# Altium PCB PCB2.PcbDoc (part 2 of 3)
Units mm, origin at the board's own origin, x right, y up, seen from the top; angles counter-clockwise.
Board outline 119.14 x 92.59 mm, 4 copper layers (Top Layer, GND Layer, PWR Layer, Bottom Layer), stack 1.471 mm thick; 167 components, 167 nets, 891 pads, 337 vias.
Unrouted connection lines stored in the file: 145.
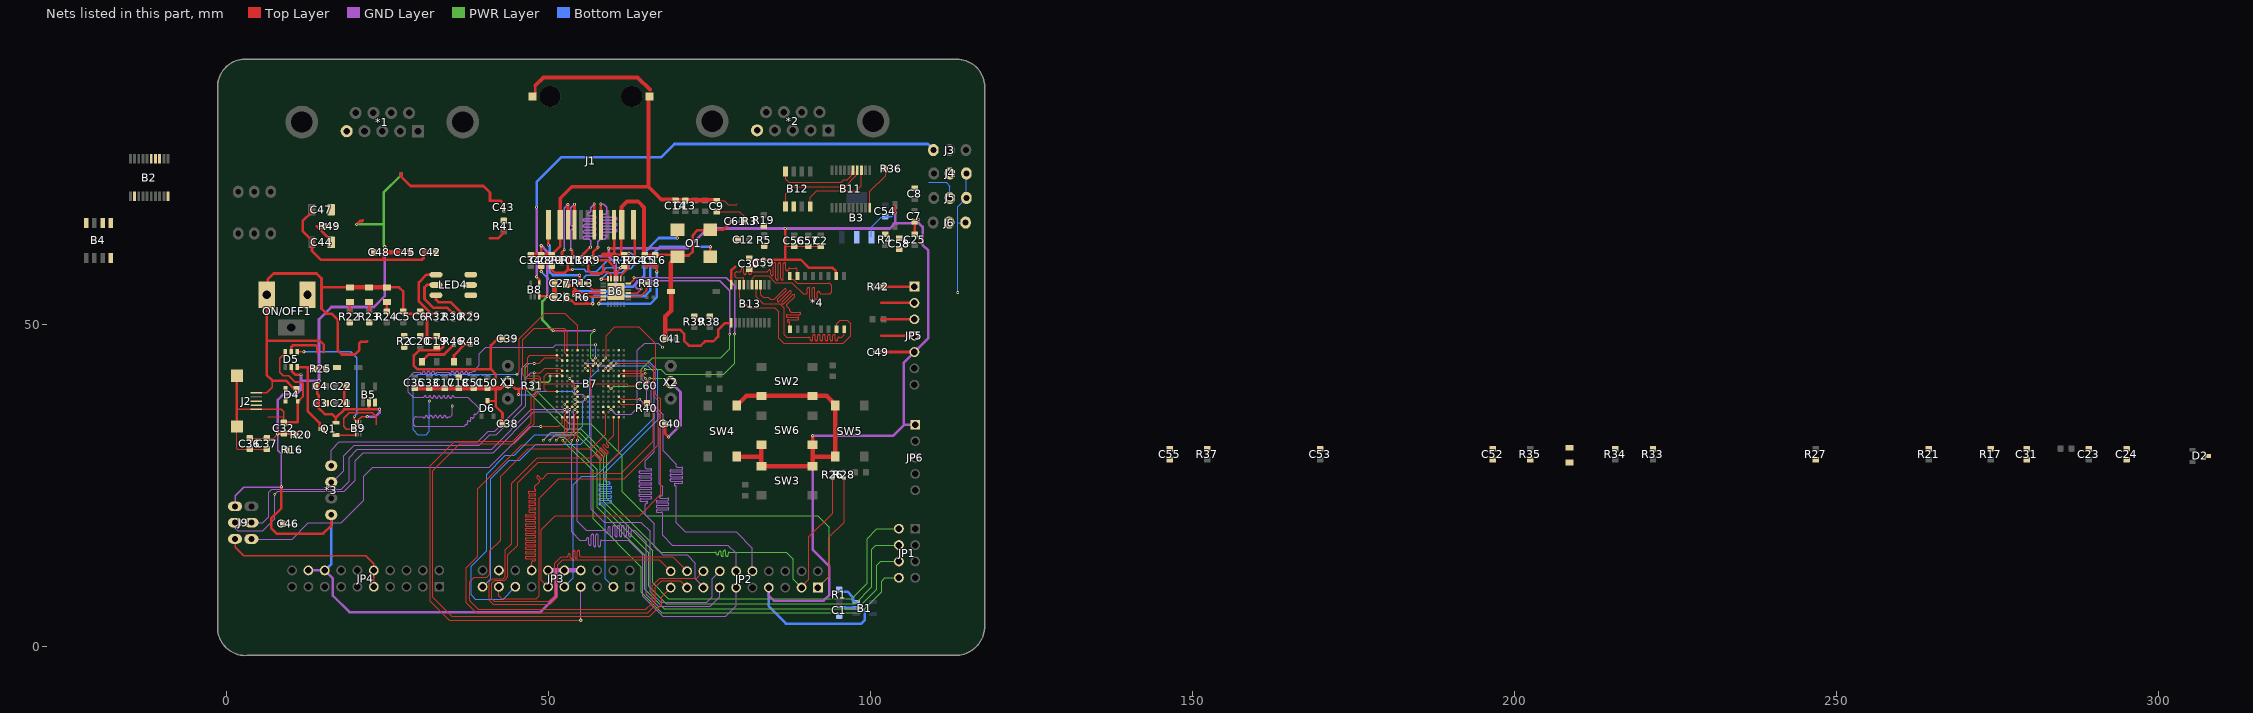
[diagram p4: the nets of this part, all layers, seen from the top]

## Via types
v1: diameter 0.42, hole 0.2, Top Layer to Bottom Layer, tented both sides, 238 vias
v2: diameter 0.5, hole 0.25, Top Layer to Bottom Layer, tented both sides, 62 vias
v3: diameter 1, hole 0.54, Top Layer to Bottom Layer, 32 vias
v4: diameter 6.3, hole 3.2, Top Layer to Bottom Layer, 4 vias
v5: diameter 0.42, hole 0.2, Top Layer to Bottom Layer, 1 vias

## Nets (pads, with @x,y where several pads share a name; then routed paths per layer and width w, separated by ;. In a path a pad name is that pad's centre, name@x,y a point inside that pad or via, vN(x,y) a via of type N, cw(c..) or ccw(c..) an arc to the next point about the centre after c; other vN are vias at no path point) (continued)
CLK: *4.16 B13.5 | length 30.5
  Top Layer w0.15: B13.5@81.712,56.258 81.712,57.201 82.124,57.613 84.283,57.613 85.299,56.597 87.839,56.597 89.617,54.819 89.998,54.819 90.073,54.819 ccw(c90.073,55.014) 90.268,55.014 90.268,55.624 cw(c90.463,55.624) 90.463,55.819 cw(c90.463,55.624) 90.658,55.624 90.658,54.014 ccw(c90.853,54.014) 90.853,53.819 ccw(c90.853,54.014) 91.048,54.014 91.048,55.624 cw(c91.243,55.624) 91.243,55.819 cw(c91.243,55.624) 91.438,55.624 91.438,54.18 ccw(c91.633,54.18) 91.633,53.985 ccw(c91.633,54.18) 91.828,54.18 91.828,55.014 cw(c92.023,55.014) 92.023,55.209 cw(c92.023,55.014) 92.218,55.014 ccw(c92.413,55.014) 92.413,54.819 92.814,54.819 93.554,54.819 ccw(c93.554,55.327) 94.062,55.327 94.062,55.962 ccw(c93.554,55.962) 93.554,56.47 88.728,56.47 88.11,57.088 87.759,57.088 87.534,57.313 *4.16@87.534,57.613
  Top Layer w0.4: B13.5@81.687,56.233 B13.5@81.712,56.258
CS: *4.7 B13.8 | length 30.4
  Top Layer w0.15: B13.8@79.737,56.233 79.737,54.158 81.235,52.66 85.172,52.66 85.807,52.025 85.807,47.961 86.569,47.199 95.84,47.199 96.983,48.342 96.983,50.192 96.42,50.755 95.376,50.755 94.851,50.23 *4.7@94.851,49.436
  Top Layer w0.4: *4.7@94.773,49.359 *4.7@94.851,49.436
E14-ENET_TXD1: B6.18 B7.E14 | length 47.9
  Top Layer w0.12: B7.E14@61.778,42.881 64.852,42.881 v1(65.106,43.135)
  Top Layer w0.22: B6.18@62.484,56.45 B6.18@62.759,56.45
  Top Layer w0.3: B6.18@62.759,56.45 63.305,56.996 63.305,57.336 v1(63.328,57.359)
  GND Layer w0.22: v1(63.328,57.359) 77.679,57.359 78.953,56.086 v1(78.953,48.585)
  PWR Layer w0.12: v1(65.106,43.135) 67.519,43.135 68.281,42.373 77.298,42.373 78.949,44.024 78.949,48.582 v1(78.953,48.585)
ETH_RX+: B6.23 C28.1 J1.7 R8.2 | length 34.9
  Top Layer w0.3: 58.587,58.228 59.284,58.228 59.784,57.728 B6.23@59.784,57.15
  Top Layer w0.4: v1(56.597,62.058) 56.47,62.058 55.466,61.054 55.466,60.611 R8.2@55.381,60.526 55.481,60.426 55.943,60.426 56.216,60.153 56.216,58.502 56.724,57.994 58.352,57.994 58.587,58.228 58.587,59.176 ; J1.7@57.169,65.545 57.17,65.546 v1(57.171,68.777) v1(57.171,68.777)
  GND Layer w0.22: v1(56.597,62.058) 56.597,62.974 56.597,63.084 ccw(c56.367,63.084) 56.367,63.314 55.718,63.314 cw(c55.718,63.544) 55.718,63.774 57.19,63.774 ccw(c57.19,64.004) 57.19,64.234 55.718,64.234 cw(c55.718,64.464) 55.718,64.694 57.19,64.694 ccw(c57.19,64.924) 57.19,65.154 55.718,65.154 cw(c55.718,65.384) 55.718,65.614 57.19,65.614 ccw(c57.19,65.844) 57.19,66.074 55.718,66.074 cw(c55.718,66.304) 55.718,66.534 57.185,66.534 ccw(c57.185,66.764) 57.185,66.994 56.367,66.994 cw(c56.367,67.224) 56.367,67.454 ccw(c56.367,67.684) 56.597,67.684 56.597,68.203 57.018,68.624 v1(57.171,68.777)
ETH_RX-: B6.22 C29.1 J1.8 R9.2 | length 34.9
  Top Layer w0.22: 60.145,59.176 60.284,59.037
  Top Layer w0.3: B6.22@60.284,57.15 60.284,59.037
  Top Layer w0.4: v1@57.74,62.063 v1(57.74,62.058) 56.99,61.308 R9.2@56.99,60.526 57.09,60.426 57.487,60.426 57.887,60.026 59.295,60.026 60.145,59.176 ; v1(58.179,68.779) 58.179,68.774 58.192,68.761 58.192,65.548 J1.8@58.189,65.545
  GND Layer w0.22: v1(57.74,62.058) 57.74,62.947 58.121,63.328 58.756,63.328 58.827,63.4 59.137,63.709 59.137,63.74 ccw(c58.907,63.74) 58.907,63.97 58.367,63.97 cw(c58.367,64.2) 58.367,64.43 60.464,64.43 ccw(c60.464,64.66) 60.464,64.89 58.367,64.89 cw(c58.367,65.12) 58.367,65.35 60.464,65.35 ccw(c60.464,65.58) 60.464,65.81 58.367,65.81 cw(c58.367,66.04) 58.367,66.27 60.464,66.27 ccw(c60.464,66.5) 60.464,66.73 58.39,66.73 cw(c58.39,66.96) 58.39,67.19 58.907,67.19 ccw(c58.907,67.42) 59.137,67.42 59.137,67.9 59.137,68.281 58.639,68.779 v1(58.179,68.779)
ETH_TX+: B6.21 C30.1 J1.3 R10.2 | length 32.1
  Top Layer w0.3: B6.21@60.784,57.15 60.784,58.371 v2(61.296,58.883)
  Top Layer w0.4: v2(48.935,58.29) 48.935,59.176 48.985,59.176 49.835,60.026 51.464,60.026 51.864,60.426 52.064,60.426 R10.2@52.164,60.526 52.164,61.308 v1(52.533,61.677) ; v1(53.084,68.719) 53.084,68.714 53.089,68.709 J1.3@53.089,65.545
  GND Layer w0.22: v1(52.533,61.677) 52.533,68.162 v1@53.084,68.714
  GND Layer w0.4: v1@53.084,68.714 v1(53.084,68.719)
  Bottom Layer w0.22: v2(48.935,58.29) 50.255,56.97 55.192,56.97 55.962,57.74 57.867,57.74 59.01,58.883 v2(61.296,58.883)
ETH_TX-: B6.20 C31.1 J1.4 R11.2 | length 32.1
  Top Layer w0.3: B6.20@61.284,57.15 61.284,57.679 62.566,58.961 v2(62.566,59.391)
  Top Layer w0.4: 50.543,59.176 50.501,59.134 50.501,58.629 51.009,58.121 52.66,58.121 53.041,58.502 ; v1(53.549,61.677) 53.773,61.454 R11.2@53.773,60.526 53.287,60.526 53.041,60.28 53.041,58.502 ; v2(53.803,58.629) 53.784,58.61 53.503,58.61 53.499,58.606 53.145,58.606 53.041,58.502 ; J1.4@54.109,65.546 v1@54.109,68.752
  GND Layer w0.22: v1(53.549,61.677) 53.549,64.09 53.549,64.66 cw(c53.779,64.66) 53.779,64.89 53.794,64.89 ccw(c53.794,65.12) 53.794,65.35 53.779,65.35 cw(c53.779,65.58) 53.549,65.58 53.549,66.503 53.549,68.188 v1@54.108,68.747
  GND Layer w0.4: v1@54.108,68.747 v1(54.108,68.752)
  Bottom Layer w0.22: v2(53.803,58.629) 55.583,58.629 55.964,58.248 57.486,58.248 59.299,60.061 62.13,60.061 62.512,59.679 62.512,59.445 v2(62.566,59.391)
ETH_XTAL1: B6.5 C26.1 O1.1 R6.1 | length 35.6
  Top Layer w0.3: R6.1@55.898,54.311 56.025,54.438 58.297,54.438 58.309,54.45 B6.5@58.584,54.45
  Top Layer w0.4: C26.1@52.798,54.311 52.798,54.111 53.098,53.811 53.668,53.811 54.18,53.299 56.021,53.299 ; R6.1@55.898,54.311 55.898,53.422 56.021,53.299 ; v2(56.933,53.299) 56.021,53.299 ; O1.1@75.175,60.616 75.204,60.645 v2(75.204,62.144)
  Bottom Layer w0.4: v2(56.933,53.299) 56.953,53.318 56.953,54.268 57.187,54.503 65.044,54.503 65.868,55.327 65.868,60.661 67.351,62.144 v2(75.204,62.144)
ETH_XTAL2: B6.4 C27.2 O1.3 R6.2 | length 31.5
  Top Layer w0.22: 54.87,54.896 54.924,54.95
  Top Layer w0.3: 54.924,54.95 B6.4@58.584,54.95
  Top Layer w0.4: C27.2@52.798,56.47 52.798,56.431 53.098,56.131 53.635,56.131 54.252,55.514 ; v2(53.93,54.565) 53.949,54.584 53.949,55.211 54.252,55.514 ; R6.2@54.898,54.311 54.87,54.339 54.87,54.896 54.252,55.514 ; v2(70.044,63.502) 70.044,64.765 O1.3@70.095,64.816
  Bottom Layer w0.4: v2(53.93,54.565) 53.949,54.584 53.949,54.681 54.468,55.2 59.264,55.2 60.026,55.962 63.201,55.962 64.944,57.705 64.944,61.261 67.184,63.502 v2(70.044,63.502)
F13-FC6_I2S_TX_WS: B7.F13 JP2.15 | length 58.2
  Top Layer w0.12: B7.F13@60.978,42.081 61.397,42.5 v1(65.106,42.5)
  GND Layer w0.12: v1(65.106,42.5) 65.049,42.443 64.795,42.443 64.598,42.246 64.598,41.484 65.36,40.722 65.36,38.055 67.265,36.15 67.265,25.355 67.773,24.847 67.773,24.466 67.773,23.637 cw(c67.593,23.637) 67.593,23.457 67.478,23.457 ccw(c67.478,23.277) 67.478,23.097 68.593,23.097 cw(c68.593,22.917) 68.593,22.737 66.953,22.737 ccw(c66.953,22.557) 66.953,22.377 68.593,22.377 cw(c68.593,22.197) 68.593,22.017 66.953,22.017 ccw(c66.953,21.837) 66.953,21.657 68.593,21.657 cw(c68.593,21.477) 68.593,21.297 66.953,21.297 ccw(c66.953,21.117) 66.953,20.937 67.593,20.937 cw(c67.593,20.757) 67.773,20.757 67.773,20.697 67.773,17.354 69.297,15.83 77.933,15.83 79.203,14.56 JP2.15@79.203,11.766
F14-FC6_I2S_TX_DATA: B7.F14 JP2.16 | length 58.2
  Top Layer w0.12: B7.F14@61.778,42.081 64.763,42.081 v1(65.106,41.738)
  GND Layer w0.12: v1(65.106,41.738) 65.995,40.849 65.995,37.959 67.9,36.054 67.9,30.435 69.932,28.403 69.932,28.149 69.932,28.089 ccw(c70.112,28.089) 70.112,27.909 70.752,27.909 cw(c70.752,27.729) 70.752,27.549 69.112,27.549 ccw(c69.112,27.369) 69.112,27.189 70.752,27.189 cw(c70.752,27.009) 70.752,26.829 69.112,26.829 ccw(c69.112,26.649) 69.112,26.469 70.752,26.469 cw(c70.752,26.289) 70.752,26.109 69.112,26.109 ccw(c69.112,25.929) 69.112,25.749 70.723,25.749 cw(c70.723,25.569) 70.723,25.389 69.752,25.389 ccw(c69.752,25.209) 69.752,25.029 cw(c69.752,24.849) 69.932,24.849 69.932,21.037 69.932,19.259 71.329,17.862 79.203,17.862 81.743,15.322 JP2.16@81.743,11.766
G4-FC6_I2S_TX_SCK: B7.G4 JP2.14 | length 58.2
  Top Layer w0.12: v1(53.378,41.681) B7.G4@53.778,41.281
  GND Layer w0.12: v1(53.378,41.681) 54.083,40.976 55.708,40.976 56.744,39.94 56.744,21.398 58.756,19.386 64.427,19.386 65.868,17.945 65.868,8.591 67.519,6.94 74.631,6.94 75.52,7.829 75.52,10.623 JP2.14@76.663,11.766
GND: *1.5 *2.5 *3.4 *4.10 B1.2 B3.1 B4.2 B5.2 B6.25 B7.B3 B7.D7 B7.D8 B7.E11 B7.F2 B7.H5 B7.J1 B7.J5 B7.K7 B7.L5 B8.3 B9.4 B12.2 B13.11 C1.1 C2.2 C7.2 C8.2 C9.2 C12.2 C13.2 C14.2 C15.2 C16.2 C17.2 C18.2 C19.2 C20.2 C21.2 C22.2 C23.2 C24.2 C25.2 C26.2 C27.1 C28.2 C29.2 C30.2 C31.2 C32.2 C33.1 C34.2 C35.1 C36.2 C37.2 C38.1 C39.1 C40.1 C41.2 C50.2 C51.2 C52.2 C53.2 C54.2 C55.2 C56.2 C57.2 C58.2 C59.2 C60.2 C61.2 D2.3 D4.1 D5.2 D6.3 J1.2 J1.10 J1.11 J1.G1 J1.G2 J2.1 J4.1 J5.1 J6.1 J9.1 JP2.4 JP3.15 JP3.16 JP3.17 JP4.12 JP4.13 JP5.5 JP6.1 LED1.2 LED2.2 LED3.2 O1.2 O1.4 ON/OFF1.2 Q1.2 R12.2 R17.2 R25.2 R31.1 SW1.2 SW2.1 SW2.4 SW3.1 SW3.4 SW4.1 SW4.4 SW5.1 SW5.4 SW6.1 SW6.4 X1.3 X2.3 | length 934.2
  Top Layer w0.12: C36.2@3.683,32.434 C36.2@3.685,32.436 ; C37.2@6.348,32.436 C37.2@6.35,32.438 7.38,32.438 v2(8.039,33.097) ; v1(50.794,49.091) 50.807,49.104 52.279,49.104 52.578,48.805 52.578,45.681 B7.B3@52.978,45.281 ; B7.J1@51.378,39.681 49.764,39.681 49.408,40.037 49.408,40.877 ; B7.F2@52.178,42.081 51.77,42.489 49.855,42.489 49.408,42.042 49.408,40.877 ; v1(54.178,37.681) B7.L5@54.578,38.081 ; v1(54.178,39.281) B7.J5@54.578,39.681 ; B7.H5@54.578,40.481 v1(54.178,40.081) 54.178,40.601 53.902,40.877 49.408,40.877 ; v1(55.778,38.481) B7.K7@56.178,38.881 56.597,39.3 56.597,40.849 ; v1(55.778,44.081) B7.D7@56.178,43.681 56.597,43.262 56.597,40.849 ; B7.D8@56.978,43.681 v1(57.378,44.081) ; B7.E11@59.378,42.881 v1(59.778,43.281) ; v1(65.796,41.746) 65.55,41.5 65.55,41.277 C60.2@65.36,41.087 64.32,41.087 63.816,40.584 62.45,40.584 62.185,40.849 56.597,40.849 ; C9.2@76.2,69.303 77.382,69.303 77.978,68.707 79.287,68.707 79.369,68.789 ; C61.2@78.534,66.122 C61.2@78.584,66.122 C61.2@78.602,66.122 ; 86.823,62.357 86.946,62.234 C56.2@88.22,62.234 C57.2@90.424,62.234 C2.2@92.329,62.234 ; C7.2@106.897,66.034 C7.2@106.916,66.016 ; C25.2@106.916,64.114 C25.2@106.934,64.096
  Top Layer w0.15: C36.2@3.685,32.436 C37.2@6.348,32.436
  Top Layer w0.22: J2.1@4.654,39.482 6.335,39.482 7.194,40.341 7.194,41.357 ; C32.2@8.928,33.097 C32.2@8.972,33.141 ; B9.4@20.529,34.841 20.539,34.851 20.539,35.273 21.035,35.769 v2(21.926,35.769)
  Top Layer w0.3: D6.3@40.595,38.239 40.607,38.227 41.865,38.227
  Top Layer w0.4: v2(8.039,33.097) C32.2@8.928,33.097 ; v2(8.591,24.876) 8.591,21.545 6.985,19.939 6.985,18.477 7.854,17.608 15.068,17.608 16.338,18.878 *3.4@16.338,20.529 ; C32.2@8.972,33.141 10.973,33.141 11.139,32.975 ; D5.2@10.115,43.459 10.19,43.384 10.19,42.83 10.754,42.265 11.62,42.265 v2(11.639,42.246) ; v2(10.939,39.26) D4.1@10.939,40.182 10.789,40.332 10.319,40.332 9.294,41.357 7.194,41.357 6.305,42.246 6.305,47.58 ; 13.314,67.9 13.314,67.575 11.893,66.154 11.893,64.59 13.338,63.145 13.338,61.502 14.687,60.153 24.505,60.153 ; 14.179,37.86 14.382,37.86 ; v2(14.432,41.357) 14.432,41.33 14.279,41.177 14.279,40.541 14.229,40.491 14.179,40.491 14.179,39.302 14.382,39.099 14.382,37.86 ; 15.179,45.802 15.179,46.932 14.531,47.58 6.305,47.58 ; Q1.2@17.057,34.814 17.057,35.558 ; C22.2@18.362,40.468 18.362,37.86 18.37,37.852 18.37,36.912 ; LED1.2@19.259,55.835 14.814,55.835 ; v2(20.275,65.614) 20.81,66.149 21.121,66.149 21.221,66.249 ; 21.906,47.453 21.875,47.422 20.988,47.422 20.656,47.09 20.656,46.056 20.021,45.421 17.989,45.421 17.354,46.056 17.354,50.755 16.338,51.771 15.576,51.771 14.814,52.533 14.814,55.835 ; 22.188,37.02 B5.2@22.188,37.948 ; v2(23.831,36.912) 18.37,36.912 ; v2(24.642,62.136) 24.642,61.296 24.505,61.159 24.505,60.153 ; LED3.2@24.974,55.835 26.879,55.835 27.514,55.2 27.514,51.755 30.138,51.755 30.154,51.771 30.562,51.771 31.197,51.136 31.197,47.961 ; 26.918,61.246 26.918,61.296 ; 27.169,73.569 27.169,73.071 28.657,71.583 39.96,71.583 40.98,70.563 40.98,69.314 42.594,69.314 43.035,68.873 43.085,68.873 43.135,68.823 43.135,68.773 ; C20.2@30.181,47.961 31.197,47.961 ; 30.855,61.296 30.669,61.11 30.669,60.387 30.435,60.153 24.505,60.153 ; C38.1@42.92,34.626 42.92,36.328 41.865,37.383 41.865,38.227 41.865,40.186 41.865,42.373 41.103,43.135 ; C39.1@42.92,47.834 42.119,47.834 41.103,46.818 41.103,43.135 ; X1.3@43.77,41.103 43.934,41.103 44.95,40.087 45.421,40.087 ; v1(45.421,39.198) 45.421,40.087 ; J1.G2@47.579,85.475 48.014,85.91 48.014,87.177 ; R31.1@47.58,40.087 45.421,40.087 ; B8.3@48.611,54.504 48.611,54.457 49.847,54.457 v2(49.866,54.438) 50.871,54.438 C26.2@50.998,54.311 ; C28.2@48.935,60.876 48.941,60.883 48.941,62.3 v2(48.948,62.307) ; C29.2@50.843,61.187 51.871,62.215 51.871,65.527 J1.2@51.889,65.545 ; v2(59.374,61.907) 59.393,61.927 59.71,61.927 59.714,61.931 60.28,61.931 ; 60.195,60.876 60.28,60.961 ; J1.10@60.229,65.545 60.28,65.494 60.28,61.931 ; 60.407,60.915 R12.2@61.388,60.915 ; 60.407,61.088 60.28,60.961 ; J1.11@61.429,65.545 61.388,65.504 R12.2@61.388,60.915 ; R12.2@61.816,60.526 61.427,60.915 R12.2@61.388,60.915 ; C15.2@65.021,60.876 C16.2@66.63,60.876 O1.4@69.835,60.876 ; C40.1@68.154,34.626 68.154,33.162 68.711,32.605 v1(68.711,32.599) ; 68.193,49.104 68.32,49.231 70.548,49.231 71.144,48.636 71.144,47.511 71.852,46.803 73.707,46.803 74.357,47.453 75.647,47.453 76.409,48.215 76.409,49.231 77.425,50.247 78.412,50.247 78.437,50.272 B13.11@78.437,50.357 ; X2.3@69.035,41.095 X2.3@69.043,41.103 ; O1.4@70.267,60.788 71.837,60.788 72.472,61.423 72.472,63.963 73.234,64.725 75.084,64.725 O1.2@75.175,64.816 77.228,64.816 C61.2@78.534,66.122 ; C61.2@78.602,66.122 C61.2@78.652,66.072 ; C30.2@81.235,59.026 82.013,59.026 82.251,59.264 82.251,60.024 82.38,60.153 C59.2@83.483,60.153 86.823,60.153 ; v2(86.823,64.979) 86.823,62.357 86.823,60.153 ; v2(91.073,32.785) 91.073,32.78 v2@91.09,32.763 ; *4.10@94.748,57.613 94.648,57.713 94.648,58.424 94.189,58.883 90.506,58.883 89.236,60.153 86.823,60.153 ; 101.761,45.802 JP5.5@106.889,45.802 ; v2(103.884,67.411) 103.891,67.417 103.891,68.205 103.897,68.211 103.897,68.361 ; C25.2@106.916,64.114 C7.2@106.916,66.016 ; v2@107.524,66.384 v2(107.532,66.376) ; 6.305,47.58 ON/OFF1.2@6.305,54.692 6.462,54.849 6.462,57.09 7.367,57.994 14.052,57.994 14.814,57.232 14.814,55.835 ; 14.382,37.86 14.382,37.09 15.322,36.15 16.465,36.15 17.057,35.558 ; 17.057,35.558 17.057,35.599 18.37,36.912 ; 31.197,47.961 32.721,47.961 32.752,47.93 33.26,47.93 33.737,47.453 33.737,46.691 33.102,46.056 29.927,46.056 29.165,45.294 29.165,43.648 29.678,43.135 41.103,43.135 ; 60.28,60.961 60.28,61.931
  Top Layer w0.5: SW6.1@91.09,31.422 v2@91.09,32.763
  Top Layer w0.6: 48.014,87.177 49.293,88.456 63.898,88.456 65.803,86.551 ; J1.2@51.889,65.545 51.898,65.554 51.898,69.678 53.676,71.456 65.614,71.456 ; J1.11@61.429,65.545 61.423,65.551 61.423,68.329 62.265,69.17 63.995,69.17 64.908,68.257 64.908,60.989 C15.2@65.021,60.876 ; J1.G1@65.739,85.475 65.614,85.35 65.614,71.456 ; C14.2@69.805,69.346 69.655,69.496 67.574,69.496 65.614,71.456
  Top Layer w0.7: LED1.2@19.259,55.835 LED2.2@22.18,55.835 LED3.2@24.974,55.835 ; 24.642,61.296 26.918,61.296 ; C35.1@29.292,40.186 C33.1@31.578,40.186 C17.2@33.991,40.186 C18.2@36.15,40.186 C51.2@38.436,40.186 C50.2@40.595,40.186 41.865,40.186 42.527,40.186 43.444,41.103 X1.3@43.77,41.103 ; C34.2@47.326,60.876 C28.2@48.935,60.876 C29.2@50.543,60.876 ; C26.2@50.998,54.311 C27.1@50.998,56.47 ; 58.587,60.876 60.195,60.876 ; C41.2@68.193,47.834 68.193,49.104 68.193,50.374 68.214,50.395 68.214,51.323 69.099,52.208 SW1.2@69.099,55.2 69.093,55.2 69.043,55.25 69.043,59.664 O1.4@69.995,60.616 ; C14.2@69.805,69.346 C13.2@71.329,69.346 C9.2@75.901,69.346 ; SW4.4@79.294,29.554 83.006,29.554 83.14,29.419 ; SW4.1@79.594,37.929 79.719,37.929 80.771,38.98 SW2.4@83.14,38.98 SW2.1@91.09,38.98 93.255,38.98 94.606,37.629 SW5.4@94.606,37.504 SW5.1@94.606,29.554 94.599,29.546 91.09,29.546 ; SW6.4@83.14,31.422 83.14,29.419 ; SW6.1@91.09,31.422 91.09,29.546 ; 83.14,29.419 SW3.1@83.14,28.077 SW3.4@91.09,28.077 91.09,29.546
  GND Layer w0.12: v1(54.178,37.681) 54.552,38.055 55.352,38.055 v1(55.778,38.481) 55.778,38.874 55.371,39.281 v1(54.178,39.281) v1(54.178,40.081) ; v1(55.778,44.081) v1(57.378,44.081) 57.778,43.681 59.378,43.681 59.708,43.351 v1@59.823,43.351
  GND Layer w0.22: J9.1@1.397,21.844 1.397,23.495 2.74,24.838 8.553,24.838 v2(8.591,24.876) 8.591,30.017 8.039,30.569 v2(8.039,33.097) ; v1(50.794,49.091) 50.816,49.113 57.168,49.113 v1(57.19,49.135)
  GND Layer w0.4: v2(8.039,33.097) 8.039,38.392 8.907,39.26 v2(10.939,39.26) 11.639,39.96 11.639,41.357 ; v2(11.639,42.246) 11.639,41.357 ; JP4.12@12.782,11.893 JP4.13@15.322,11.893 16.592,10.623 16.592,7.956 19.132,5.416 48.85,5.416 51.263,7.829 51.263,11.893 ; v2(21.926,35.769) 23.196,35.769 23.831,36.404 v2(23.831,36.912) ; v2(24.642,62.136) 24.642,54.487 22.942,52.787 16.338,52.787 14.432,50.881 v2(14.432,41.357) 11.639,41.357 ; v2(48.948,62.307) 49.866,61.388 49.866,60.788 ; v2(49.866,54.438) 49.866,60.788 ; v2(60.534,55.2) 60.534,59.518 59.391,60.661 ; v1(68.711,32.599) 70.567,34.455 70.567,39.579 X2.3@69.043,41.103 ; JP2.4@84.283,9.226 84.283,7.956 85.045,7.194 92.792,7.194 93.681,8.083 93.681,12.528 91.073,15.136 v2(91.073,32.785) 103.524,32.785 105.238,34.499 ; v2(103.884,67.411) 103.884,65.825 103.905,65.805 ; JP6.1@107.016,34.499 105.238,34.499 ; 49.866,60.788 49.993,60.661 59.391,60.661 ; 59.391,60.661 59.391,61.89 v2(59.374,61.907) 59.393,61.927 59.464,61.927 59.468,61.931 71.71,61.931 74.758,64.979 v2(86.823,64.979) 103.079,64.979 103.905,65.805 ; 103.905,65.805 107.433,65.805 107.497,65.868 107.524,65.868 108.159,65.233 108.159,62.439 109.048,61.55 109.048,47.961 JP5.5@106.889,45.802 105.238,44.151 105.238,34.499
  GND Layer w0.7: JP3.15@49.993,11.893 51.263,11.893 JP3.16@52.533,11.893 JP3.17@55.073,11.893
  PWR Layer w0.12: v1(57.19,49.135) 56.597,48.542 56.597,44.862 v1(57.378,44.081) ; v1(65.796,41.746) 68.084,41.746 68.727,41.103 X2.3@69.043,41.103
  PWR Layer w0.4: v2(20.275,65.614) 24.408,65.614 24.466,65.556 ; v2(24.642,62.136) 24.642,62.163 24.466,62.339 24.466,65.556 ; 27.169,73.569 27.169,73.252 24.466,70.549 24.466,65.556 ; v2(49.866,54.438) 49.104,53.676 49.104,50.781 v1(50.794,49.091)
  Bottom Layer w0.12: v1(45.421,39.198) 47.834,39.198 48.309,39.673 53.786,39.673 v1(54.178,39.281) ; B3.1@100.217,63.625 100.217,65.165 101.752,66.7 102.221,66.7 C54.2@102.362,66.841 ; v1(113.595,55.037) 113.595,65.913 ; J6.1@114.833,65.913 113.595,65.913 ; J4.1@114.96,73.533 J5.1@114.96,69.723 114.935,69.723 113.595,68.383 113.595,65.913
  Bottom Layer w0.2: C54.2@102.362,66.841 103.315,66.841 v2(103.884,67.411)
  Bottom Layer w0.22: 95.205,6.17 95.213,6.178
  Bottom Layer w0.4: JP4.13@15.322,11.893 16.338,12.909 *3.4@16.338,20.529 ; JP2.4@84.283,9.226 84.283,6.305 86.95,3.638 98.634,3.638 99.206,4.21 99.206,5.535 98.74,6.001 97.892,6.001 B1.2@97.842,6.051 96.221,6.051 96.094,6.178 95.213,6.178
H11-ENET_PHY_RSTn: B6.15 B7.H11 | length 51.1
  Top Layer w0.12: B7.H11@59.378,40.481 v1(59.778,40.081)
  Top Layer w0.22: B6.15@62.484,54.95 63.84,54.95 64.474,55.584 v1(64.474,55.606)
  GND Layer w0.22: v1(64.474,55.606) 64.469,55.61 63.837,55.61 63.582,55.865 63.582,56.597 63.872,56.887 76.627,56.887 78.223,55.291 v1(78.223,48.567)
  PWR Layer w0.12: v1(59.778,40.081) 60.178,40.481 63.722,40.481 64.431,41.19 64.431,43.122 66.255,44.946 76.839,44.946 78.223,46.33 v1(78.223,48.567)
HOLD: *4.1 B13.3 | length 30.4
  Top Layer w0.15: B13.3@82.987,56.233 82.987,54.718 83.394,54.311 84.177,54.311 84.229,54.26 84.531,53.958 84.988,53.958 ccw(c84.988,54.153) 85.126,54.015 86.688,55.576 cw(c86.825,55.438) 86.963,55.576 cw(c86.825,55.438) 86.963,55.3 85.622,53.959 ccw(c85.76,53.821) 85.622,53.683 ccw(c85.76,53.821) 85.897,53.683 87.458,55.244 cw(c87.596,55.106) 87.734,55.244 cw(c87.596,55.106) 87.734,54.968 86.344,53.578 ccw(c86.482,53.44) 86.344,53.302 ccw(c86.482,53.44) 86.619,53.302 87.99,54.673 cw(c88.128,54.535) 88.266,54.673 cw(c88.128,54.535) 88.266,54.397 87.068,53.199 ccw(c87.206,53.061) 87.068,52.923 87.397,52.594 87.56,52.431 87.56,52.279 87.56,52.204 ccw(c87.755,52.204) 87.755,52.009 89.058,52.009 cw(c89.058,51.814) 89.253,51.814 cw(c89.058,51.814) 89.058,51.619 87.141,51.619 ccw(c87.141,51.424) 86.946,51.424 ccw(c87.141,51.424) 87.141,51.229 88.756,51.229 cw(c88.756,51.034) 88.951,51.034 cw(c88.756,51.034) 88.756,50.839 87.352,50.839 ccw(c87.352,50.644) 87.157,50.644 ccw(c87.352,50.644) 87.352,50.449 87.365,50.449 cw(c87.365,50.254) 87.56,50.254 87.56,49.612 *4.1@87.56,49.359
IF_SWCLK: B7.L3 J9.2 | length 66.1
  Top Layer w0.12: v1(52.578,37.681) B7.L3@52.978,38.081
  GND Layer w0.12: J9.2@1.397,19.304 1.397,18.415 1.778,18.034 5.715,18.034 7.575,19.894 v1(7.575,23.704) 8.053,24.182 18.34,24.182 20.021,25.863 20.021,28.911 21.291,30.181 41.477,30.181 47.807,36.511 52.731,36.511 52.751,36.531 52.787,36.531 52.972,36.716 52.972,37.287 v1@52.616,37.644 ; v1(52.578,37.681) v1@52.653,37.681
IF_SWDIO: B7.M3 J9.5 | length 60.9
  Top Layer w0.12: v1(52.578,36.881) B7.M3@52.978,37.281
  GND Layer w0.12: J9.5@3.937,19.304 5.715,19.304 6.604,20.193 6.604,24.003 7.067,24.466 17.862,24.466 19.132,25.736 19.132,29.419 20.402,30.689 41.23,30.689 47.422,36.881 v1(52.578,36.881)
IF_SWO: B7.P2 J9.6 | length 58.8
  Top Layer w0.12: v1(48.85,34.245) 51.644,34.245 52.178,34.779 B7.P2@52.178,35.681
  GND Layer w0.12: J9.6@3.937,16.764 10.287,16.764 12.782,19.259 17.862,19.259 21.418,22.815 21.418,26.498 22.815,27.895 40.849,27.895 47.199,34.245 v1(48.85,34.245)
K5-FC4_RXD: B7.K5 JP3.8 | length 51.3
  Top Layer w0.12: v1(54.178,38.481) B7.K5@54.578,38.881
  Bottom Layer w0.12: JP3.8@44.913,9.353 43.008,7.448 38.69,7.448 38.055,8.083 38.055,12.528 40.468,14.941 40.468,26.859 43.364,29.755 44.741,29.755 47.961,32.975 54.057,32.975 55.408,34.326 55.408,37.801 55.154,38.055 54.604,38.055 v1(54.178,38.481)
K13-FC9_SSELn0: B7.K13 JP2.8 | length 66.2
  Top Layer w0.12: B7.K13@60.978,38.881 61.413,38.446 64.208,38.446 v1(64.225,38.462)
  GND Layer w0.12: v1(64.225,38.462) 66.503,36.184 66.503,30.308 65.106,28.911 65.106,27.937 65.106,27.877 ccw(c65.286,27.877) 65.286,27.697 65.926,27.697 cw(c65.926,27.517) 65.926,27.337 64.286,27.337 ccw(c64.286,27.157) 64.286,26.977 65.926,26.977 cw(c65.926,26.797) 65.926,26.617 64.286,26.617 ccw(c64.286,26.437) 64.286,26.257 65.926,26.257 cw(c65.926,26.077) 65.926,25.897 64.286,25.897 ccw(c64.286,25.717) 64.286,25.537 65.926,25.537 cw(c65.926,25.357) 65.926,25.177 64.286,25.177 ccw(c64.286,24.997) 64.286,24.817 65.926,24.817 cw(c65.926,24.637) 65.926,24.457 64.286,24.457 ccw(c64.286,24.277) 64.286,24.097 65.926,24.097 cw(c65.926,23.917) 65.926,23.737 64.286,23.737 ccw(c64.286,23.557) 64.286,23.377 65.926,23.377 cw(c65.926,23.197) 65.926,23.017 64.379,23.017 ccw(c64.379,22.837) 64.379,22.657 65.286,22.657 cw(c65.286,22.477) 65.286,22.297 ccw(c65.286,22.117) 65.106,22.117 65.106,21.46 65.106,20.529 66.503,19.132 66.503,15.576 67.773,14.306 71.583,14.306 72.853,13.036 72.853,10.623 74.123,9.353 JP2.8@74.123,9.226